# Altium PCB generic_shield.PcbDoc (part 2 of 2)
Units mil, origin at the board's own origin, x right, y up, seen from the top; angles counter-clockwise.
Board outline 5955.5 x 3149.6 mil, 4 copper layers (Top Layer, Signal Layer 1, Signal Layer 2, Bottom Layer), stack 65.118 mil thick; 112 components, 139 nets, 484 pads, 137 vias.
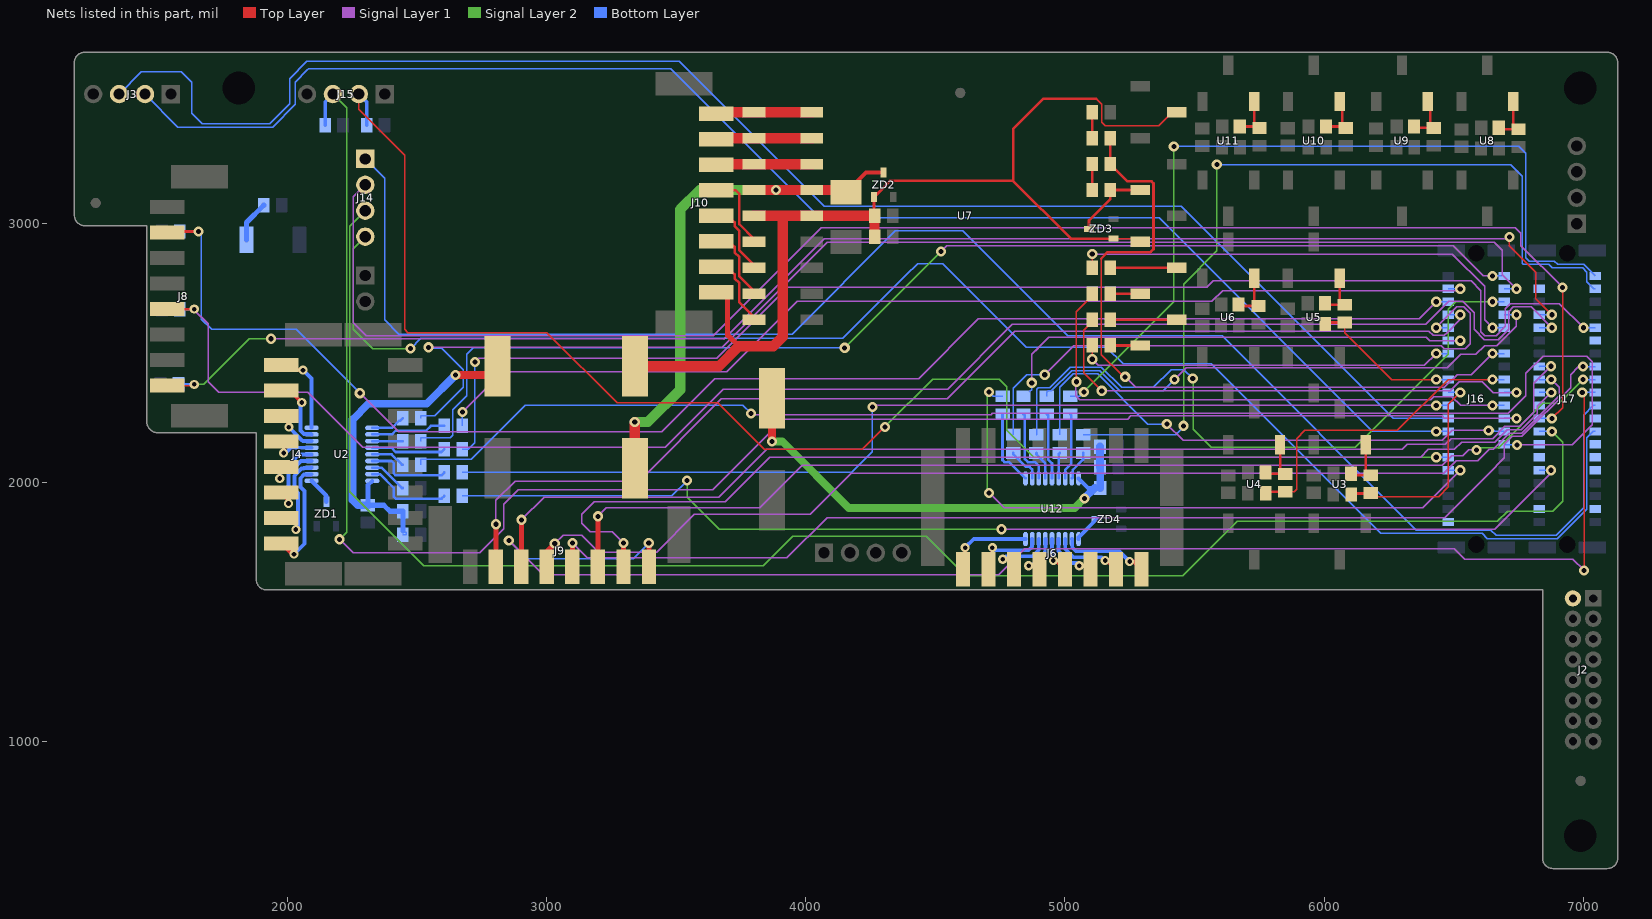
[diagram p4: the nets of this part, all layers, seen from the top]

## Via types
v1: diameter 39.37, hole 19.68, Top Layer to Bottom Layer, tented both sides, 119 vias
v2: diameter 35, hole 18, Top Layer to Bottom Layer, tented both sides, 18 vias

## Nets (pads, with @x,y where several pads share a name; then routed paths per layer and width w, separated by ;. In a path a pad name is that pad's centre, name@x,y a point inside that pad or via, vN(x,y) a via of type N, cw(c..) or ccw(c..) an arc to the next point about the centre after c; other vN are vias at no path point) (continued)
I2C1_SCL: J8.4 J17.10 R3.1 | length 6359.3
  Top Layer w5: J8.4@1535.98,2670.79 v2@1637,2670.79
  Top Layer w10: J8.4@1535.98,2670.79 1536.77,2670 v2(1640,2670)
  Signal Layer 1 w5: v2@1637,2670.79 1694,2613.79 1694,2391 1735,2350 2078,2350 2291,2137 3457,2137 3682,2362 4547,2362 4797,2612 6393,2612 6481,2700 6535,2700 6579,2656 6579,2592 6618,2553 6671.61,2553 6711.72,2593.11 6711.72,2657.72 6711.85,2657.85 6711.85,2661.09 6729.46,2678.7 6732.7,2678.7 6798.58,2678.7 v1(6878.64,2598.64)
  Bottom Layer w5: J17.10@6830.03,2598.64 v1(6878.64,2598.64)
  Bottom Layer w10: R3.1@1584.45,2670 v2(1640,2670)
I2C1_SDA: J8.1 J17.8 R4.1 | length 5896.1
  Top Layer w5: J8.1@1535.98,2375.51 v2@1632,2375.51 ; v1(6715,2949) 6715,2914 6816,2813 6816,2711.28 v1(6878.64,2648.64)
  Top Layer w10: v2@1632,2375.51 1635.51,2375.51 v2(1640,2380)
  Signal Layer 1 w5: v1(1936,2556) 3682,2556 3684,2554 4072,2942 6708,2942 v1(6715,2949)
  Signal Layer 2 w5: v2(1640,2380) 1676,2380 1852,2556 v1(1936,2556)
  Bottom Layer w5: J17.8@6830.03,2648.64 v1(6878.64,2648.64)
  Bottom Layer w10: R4.1@1578.9,2380 v2(1640,2380)
NetC1_1: C1.1 C10.2 L10.2 L11.2 U2.9 | length 1383.7
  Top Layer w30: v1(2648,2416) 2776,2416 C10.2@2810,2450
  Bottom Layer w5: L10.2@2445.16,1800 2458,1800 2458,1810 2445.16,1810 L10.2@2445.16,1815
  Bottom Layer w15: 2310,1990.51 U2.9@2327.13,2007.64
  Bottom Layer w20: 2310,1990.51 C1.1@2310,1913.46 2371.54,1913.46 2395,1890 L11.2@2445.16,1890 L10.2@2445.16,1815
  Bottom Layer w30: C1.1@2310,1913.46 2271.54,1913.46 2251,1934 2251,2244 2312,2305 2537,2305 v1(2648,2416)
NetC2_2: C2.2 R1.2 U3.3 | length 204.1
  Top Layer w10: C2.2@6103.46,2035 6109.02,2029.45 R1.2@6180,2029.45 6160,2049.45 U3.3@6160,2146.46
NetC4_2: C4.2 R5.2 U4.3 | length 199.1
  Top Layer w10: C4.2@5773.46,2040 5779.02,2034.45 R5.2@5850,2034.45 5830,2054.45 U4.3@5830,2146.46
NetC6_2: C6.2 R8.2 U5.3 | length 189.1
  Top Layer w10: C6.2@6003.46,2693 6009.02,2687.45 R8.2@6080,2687.45 6060,2707.45 U5.3@6060,2789.46
NetC8_2: C8.2 R12.2 U6.3 | length 192.7
  Top Layer w10: C8.2@5670,2688 5675.55,2682.45 R12.2@5746.54,2682.45 5730,2698.98 U6.3@5730,2789.46
NetC11_1: C11.1 F1.1 U7.7 U7.8 ZD2.3 | length 2050
  Top Layer w5: U7.7@3788,3130 U7.7@3800,3130 ; ZD2.3@4300,3197 ZD2.3@4300,3197.24
  Top Layer w15: F1.1@4155,3120.67 4231.57,3197.24 ZD2.3@4300,3197.24
  Top Layer w40: C11.1@3340,2056.3 v1(3340,2235) ; U7.7@3800,3130 v1(3885,3130) U7.8@4022.5,3130 4145.67,3130 F1.1@4155,3120.67
  Signal Layer 2 w40: v1(3340,2235) 3391,2235 3515,2359 3515,3055 3590,3130 v1(3885,3130)
NetC11_2: C11.2 J10.8 L19.1 L20.2 U7.9 U7.10 U7.23 U7.28 ZD2.1 ZD3.1 | length 4262.5
  Top Layer w5: 3848,3030 3862,3016 ; L19.1@4265.16,3030 4265.16,3102.76 4327.37,3164.97 ; 5120,3482 5141,3461 5141,3391 5155,3377 5361,3377 5414,3430 U7.28@5431.25,3430 ; ZD3.1@5187.24,2942.6 U7.23@5278.65,2942.6
  Top Layer w10: L19.1@4262.6,3032.56 ZD2.1@4262.6,3102.76 4324.81,3164.97 4327.37,3164.97 4800.03,3164.97 ; 5120,3482 4916,3482 4800.03,3366.03 4800.03,3164.97 ; ZD3.1@5187.24,2942.6 5022.4,2942.6 4800.03,3164.97 ; U7.23@5278.65,2942.6 U7.23@5291.25,2930
  Top Layer w20: J10.8@3654.02,2735.51 J10.8@3658.24,2731.29 ; 3658.24,2456.76 3665,2450 ; J10.8@3696,2741 J10.8@3698,2739 ; J10.8@3698,2730 3698,2571 3742,2527
  Top Layer w40: C11.2@3340,2450 3665,2450 3742,2527 3875,2527 3911.25,2563.25 3911.25,3030 ; U7.9@3800,3030 3848,3030 3911.25,3030 ; L19.1@4262.6,3032.56 L19.1@4265.16,3030 ; L20.2@4265.16,2950 L19.1@4265.16,3030 ; 3911.25,3030 U7.10@4022.5,3030 L19.1@4265.16,3030
NetC12_2: C12.2 C13.1 L26.2 L27.2 U12.9 | length 1810.3
  Top Layer w30: v1(3870,2160) C12.2@3870,2326.85
  Signal Layer 2 w30: v1(3870,2160) 3909,2160 4166,1903 5038,1903 v1(5075,1940)
  Bottom Layer w15: U12.9@5052.36,2017.13 5089.49,1980 5115,1980 C13.1@5136.54,1980 ; L27.2@5135.16,2060 L27.2@5136.54,2058.62
  Bottom Layer w30: v1(5075,1940) C13.1@5115,1980 ; L27.2@5135.16,2060 L26.2@5135.16,2140 ; C13.1@5136.54,1980 L27.2@5136.54,2058.62
NetC14_2: C14.2 R9.2 U8.3 | length 194.1
  Top Layer w10: C14.2@6673.46,3370 6679.02,3364.45 R9.2@6750,3364.45 6730,3384.45 U8.3@6730,3471.46
NetC16_2: C16.2 R19.2 U9.3 | length 190.3
  Top Layer w10: C16.2@6346.93,3375 6352.48,3369.45 R19.2@6423.46,3369.45 6410,3382.91 6410,3461.98 U9.3@6400.52,3471.46
NetC18_2: C18.2 R21.2 U10.3 | length 198.2
  Top Layer w10: C18.2@6006.93,3375 R21.2@6077.91,3375 ; U10.3@6060.52,3471.46 6070,3461.98 6070,3382.91 R21.2@6077.91,3375 ; R21.2@6094.54,3380.52 R21.2@6083.46,3369.45 R21.2@6077.91,3375
NetC20_2: C20.2 R23.2 U11.3 | length 197
  Top Layer w10: C20.2@5674.02,3375 R23.2@5745,3375 ; U11.3@5730.52,3471.46 5730.52,3389.48 R23.2@5745,3375 ; R23.2@5761.63,3380.52 R23.2@5750.55,3369.45 R23.2@5745,3375
NetD1_1: D1.1 L28.1 | length 160.6
  Bottom Layer w20: D1.1@1841.64,2938 1841.64,3004.48 L28.1@1908.16,3071
NetJ2_2: J2.2
NetJ4_1: J4.1 U2.11 | length 451.3
  Top Layer w15: J4.1@1955.51,1765.51 J4.1@1975.98,1765.51 2016.5,1725 v2(2025,1725)
  Bottom Layer w15: v2(2025,1725) 2065,1765 2065,1968.09 2049.82,1983.28 2049.82,2017.73 2064.08,2032 2091.64,2032 U2.11@2092.87,2033.23
NetJ4_2: J4.2 U2.12 | length 395.1
  Top Layer w5: J4.2@1975.98,1863.94 2032,1863.94 v2(2032,1820)
  Bottom Layer w15: v2(2032,1820) 2040,1828 2040,1960.57 2026.82,1973.75 2026.82,2027.25 2054.56,2055 2061.49,2055 2064.08,2057.59 2091.64,2057.59 U2.12@2092.87,2058.82
NetJ4_3: J4.3 U2.13 | length 279.6
  Top Layer w15: J4.3@1975.98,1962.36 2004,1934.35 v2(2004,1920)
  Bottom Layer w15: v2(2004,1920) 2004,1964.04 2003.82,1964.23 2003.82,2036.78 2051.44,2084.41 U2.13@2092.87,2084.41
NetJ4_4: J4.4 U2.14 | length 180
  Top Layer w15: v2(1970,2017) v2@1970,2024.8
  Bottom Layer w15: v2(1970,2017) 1970,2035.49 2044.51,2110 U2.14@2092.87,2110
NetJ4_5: J4.5 U2.15 | length 165
  Top Layer w15: J4.5@1975.98,2159.21 1985.24,2149.96 v2(1985.24,2115)
  Bottom Layer w15: v2(1985.24,2115) 1990.47,2115 1991.47,2114 2013.06,2135.59 U2.15@2092.87,2135.59
NetJ4_6: J4.6 U2.16 | length 165.1
  Top Layer w15: J4.6@1975.98,2257.64 2005,2228.62 v2(2005,2215)
  Bottom Layer w15: v2(2005,2215) 2026.82,2193.19 2026.82,2192.75 2054.56,2165 2055,2165 2058.82,2161.18 U2.16@2092.87,2161.18
NetJ4_7: J4.7 U2.17 | length 257.4
  Top Layer w15: J4.7@1975.98,2356.06 2008.94,2356.06 v2(2055,2310)
  Bottom Layer w15: v2(2055,2310) 2050,2305 2050,2229.83 2049.82,2229.65 2049.82,2202.27 2064.08,2188 2091.64,2188 U2.17@2092.87,2186.77
NetJ4_8: J4.8 U2.18 | length 378.7
  Top Layer w5: J4.8@1956.5,2435 1956.5,2454.49 J4.8@1975.98,2454.49
  Top Layer w15: J4.8@1956.5,2435 v2(2060,2435)
  Bottom Layer w15: v2(2060,2435) 2092.87,2402.13 U2.18@2092.87,2212.36
NetJ6_1: J6.1 U12.11 | length 335.3
  Top Layer w15: v2(5249.75,1696.17) 5264.93,1696.17 J6.1@5295.12,1665.98
  Bottom Layer w15: U12.11@5026.77,1782.87 5028,1781.64 5028,1750 5042,1736 5209.92,1736 v2(5249.75,1696.17)
NetJ6_2: J6.2 U12.12 | length 266.5
  Top Layer w15: v2(5155,1700) 5162.68,1700 J6.2@5196.69,1665.98
  Bottom Layer w15: U12.12@5001.18,1782.87 5001.18,1744.3 5032.48,1713 5142,1713 v2(5155,1700)
NetJ6_3: J6.3 U12.13 | length 197.8
  Top Layer w15: v2(5055,1680) 5084.25,1680 J6.3@5098.27,1665.98
  Bottom Layer w15: U12.13@4975.59,1782.87 4975.59,1737.36 5022.95,1690 5045,1690 v2(5055,1680)
NetJ6_4: J6.4 U12.14 | length 143.9
  Top Layer w15: v2(4955,1700) 4965.83,1700 J6.4@4999.84,1665.98
  Bottom Layer w15: U12.14@4950,1782.87 4950,1705 v2(4955,1700)
NetJ6_5: J6.5 U12.15 | length 182.8
  Top Layer w15: v2(4860,1680) 4887.4,1680 J6.5@4901.42,1665.98
  Bottom Layer w15: v2(4860,1680) 4870.3,1680 4921.82,1731.51 4921.82,1732.41 4924.41,1735 U12.15@4924.41,1782.87
NetJ6_6: J6.6 U12.16 | length 270
  Top Layer w15: v2(4760,1705) 4790,1705 4790,1678.98 J6.6@4802.99,1665.98
  Bottom Layer w15: v2(4760,1705) 4771.82,1716.82 4874.59,1716.82 4898.82,1741.04 U12.16@4898.82,1782.87
NetJ6_7: J6.7 U12.17 | length 283.1
  Top Layer w15: J6.7@4704.57,1665.98 4720,1681.42 v2(4720,1750)
  Bottom Layer w15: v2(4720,1750) 4730.19,1739.82 4859.89,1739.82 4873.23,1753.15 U12.17@4873.23,1782.87
NetJ6_8: J6.8 U12.18 | length 341.1
  Top Layer w15: J6.8@4599.06,1665.98 J6.8@4606.14,1665.98 4615,1674.84 v2(4615,1750)
  Bottom Layer w15: v2(4615,1750) 4647.87,1782.87 4706.21,1782.87 4706.33,1783 4733.67,1783 4733.8,1782.87 U12.18@4847.64,1782.87
NetJ10_1: J10.1 U7.1 U7.2 | length 370.8
  Top Layer w40: J10.1@3654.02,3424.49 3659.53,3430 U7.1@3800,3430 U7.2@4022.5,3430
NetJ10_2: J10.2 U7.3 U7.4 | length 370.1
  Top Layer w40: J10.2@3654.02,3326.06 3657.95,3330 U7.3@3800,3330 U7.4@4022.5,3330
NetJ10_3: J10.3 U7.5 U7.6 | length 369.5
  Top Layer w40: J10.3@3654.02,3227.64 3656.38,3230 U7.5@3800,3230 U7.6@4022.5,3230
NetJ10_4: J10.4 U7.11 | length 303.7
  Top Layer w10: J10.4@3654.02,3129.21 3729.21,3129.21 3743.25,3115.18 3743.25,2997.87 3800,2941.12 U7.11@3800,2930
NetJ10_5: J10.5 U7.13 | length 287.7
  Top Layer w10: J10.5@3654.02,3030.79 3699.21,3030.79 3725.25,3004.75 3725.25,2990.41 3743.25,2972.41 3743.25,2896.75 3800,2840 U7.13@3800,2830
NetJ10_6: J10.6 U7.15 | length 291.5
  Top Layer w10: J10.6@3654.02,2932.36 3702.89,2932.36 3725.25,2910 3725.25,2889.29 3743.25,2871.29 3743.25,2796.75 3800,2740 U7.15@3800,2730
NetJ10_7: J10.7 U7.17 | length 289
  Top Layer w10: J10.7@3654.02,2833.94 3696.06,2833.94 3725.25,2804.75 3725.25,2789.29 3743.25,2771.29 3743.25,2696.75 3800,2640 U7.17@3800,2630
NetL1_2: L1.2 U12.1 | length 296.3
  Bottom Layer w10: L1.2@4760,2265.16 4759.05,2265.16 4759.05,2087.53 4766.66,2079.91 4784.85,2079.91 U12.1@4847.64,2017.13
NetL2_2: L2.2 U2.1 | length 133.6
  Bottom Layer w10: U2.1@2327.13,2212.36 2403.48,2212.36 2431.12,2240 2435.16,2240 L2.2@2445.16,2250
NetL3_2: L3.2 U2.2 | length 291.8
  Bottom Layer w10: U2.2@2327.13,2186.77 2403.35,2186.77 2417.53,2200.95 2534.38,2200.95 2553.42,2220 L3.2@2605.16,2220
NetL4_2: L4.2 U2.3 | length 118.5
  Bottom Layer w10: U2.3@2327.13,2161.18 2443.98,2161.18 L4.2@2445.16,2160
NetL5_2: L5.2 U2.4 | length 289.4
  Bottom Layer w10: U2.4@2327.13,2135.59 2400.99,2135.59 2417.53,2119.05 2594.2,2119.05 L5.2@2605.16,2130
NetL6_2: L6.2 U2.5 | length 134.6
  Bottom Layer w10: U2.5@2327.13,2110 2401.12,2110 2441.12,2070 L6.2@2445.16,2070
NetL7_2: L7.2 U2.6 | length 328.4
  Bottom Layer w10: U2.6@2327.13,2084.41 2401.25,2084.41 2409.91,2075.75 2409.91,2036.66 2417.53,2029.05 2594.2,2029.05 L7.2@2605.16,2040
NetL8_2: L8.2 U2.7 | length 150.7
  Bottom Layer w10: U2.7@2327.13,2058.82 2362.3,2058.82 2441.12,1980 L8.2@2445.16,1980
NetL9_2: L9.2 U2.8 | length 341.2
  Bottom Layer w10: U2.8@2327.13,2033.23 2356.77,2033.23 2409.91,1980.09 2409.91,1946.66 2417.53,1939.05 2594.2,1939.05 L9.2@2605.16,1950
NetL12_2: L12.2 U12.2 | length 136.5
  Bottom Layer w10: L12.2@4800,2115.16 4800,2111.12 4849.21,2061.91 4863.09,2061.91 4873.23,2051.77 U12.2@4873.23,2017.13
NetL13_2: L13.2 U12.3 | length 289
  Bottom Layer w10: L13.2@4840,2265.16 4845,2260.16 4845,2091.58 4856.66,2079.91 4885,2079.91 4898.82,2066.09 U12.3@4898.82,2017.13
NetL14_1: L14.1 U7.25 ZD3.3 | length 300.4
  Top Layer w10: ZD3.3@5092.76,2980 5092.76,3012.76 5174.84,3094.84 L14.1@5174.84,3130 U7.25@5291.25,3130
NetL14_2: L14.2 R16.2 | length 100.2
  Top Layer w10: L14.2@5105.16,3130 5105.16,3229.61 R16.2@5105.55,3230
NetL15_2: L15.2 U7.22 | length 256.4
  Top Layer w10: L15.2@5174.84,2830 U7.22@5431.25,2830
NetL16_2: L16.2 U7.21 | length 116.4
  Top Layer w10: L16.2@5174.84,2730 U7.21@5291.25,2730
NetL17_2: L17.2 U7.20 | length 256.4
  Top Layer w10: L17.2@5174.84,2630 U7.20@5431.25,2630
NetL18_2: L18.2 U7.19 | length 116.4
  Top Layer w10: L18.2@5174.84,2530 U7.19@5291.25,2530
NetL21_2: L21.2 U12.4 | length 112.3
  Bottom Layer w10: L21.2@4890,2115.16 4890,2109.54 4924.41,2075.13 U12.4@4924.41,2017.13
NetL22_2: L22.2 U12.5 | length 256.3
  Bottom Layer w10: L22.2@4930,2265.16 4935,2260.16 4935,2090 4950,2075 U12.5@4950,2017.13
NetL23_2: L23.2 U12.6 | length 99.9
  Bottom Layer w10: U12.6@4975.59,2017.13 4975.59,2110.75 L23.2@4980,2115.16
NetL24_2: L24.2 U12.7 | length 260
  Bottom Layer w10: U12.7@5001.18,2017.13 5001.18,2051.18 5025,2075 5025,2260.16 L24.2@5020,2265.16
NetL25_2: L25.2 U12.8 | length 115.9
  Bottom Layer w10: U12.8@5026.77,2017.13 5030.5,2020.86 5030.5,2050.5 5070,2090 L25.2@5070,2115.16
NetR17_1: R17.1 R18.2 | length 100
  Top Layer w10: R17.1@5105.55,3330 R18.2@5105.55,3430
NetU2_10: U2.10 ZD1.3 | length 104.1
  Bottom Layer w17: U2.10@2092.87,2007.64 2150,1950.51 ZD1.3@2150,1927.24
NetU12_10: U12.10 ZD4.3 | length 106.3
  Bottom Layer w15: U12.10@5052.36,1782.87 5052.36,1789.61 ZD4.3@5122.76,1860
PTA4_RC: J16.7 L22.1 | length 2087.5
  Signal Layer 1 w5: v1(5423,2399) 5468.5,2444.5 6475.5,2444.5 6527,2496 6586,2496 6619,2529 6666,2529 6741.91,2604.91 v1(6741.91,2648.64)
  Bottom Layer w5: L22.1@4930,2334.84 4930,2350 4934.59,2354.59 4947.51,2354.59 5026.11,2433.19 5133.81,2433.19 5212,2355 5379,2355 v1(5423,2399) ; J16.7@6695.57,2648.64 v1(6741.91,2648.64)
PTA7_RC: J16.32 L1.1 | length 2417.4
  Signal Layer 1 w5: v1@4716.06,1970.06 v1(4707,1961) 4765,1903 6379.73,1903 6446.79,1970.06 v1(6525.37,2048.64)
  Signal Layer 2 w5: v1(4707,1961) 4700,1968 4700,2344 v1(4707,2351)
  Bottom Layer w5: v1(4707,2351) 4723.16,2334.84 L1.1@4760,2334.84 ; J16.32@6479.03,2048.64 v1(6525.37,2048.64)
PTA8_RC: J16.12 L13.1 | length 1915.3
  Signal Layer 1 w5: v1(4872,2386) 4872,2496 ; 4896,2520 4872,2496 ; v1(6525.37,2548.64) 6420,2548.64 6406.81,2548.64 6393.45,2562 4938,2562 4910.5,2534.5 4872,2496
  Bottom Layer w5: L13.1@4863,2351 4872,2360 v1(4872,2386) ; J16.12@6479.03,2548.64 v1(6525.37,2548.64)
PTA10_RC: J16.27 L6.1 | length 5413
  Signal Layer 1 w5: v1(3789,2268) 3794.19,2262.81 4714.81,2262.81 4720,2268 6711,2268 6779,2336 6779,2423 6845,2489 7013,2489 7035,2467 7035,2224 6957,2146 v1(6744,2146)
  Bottom Layer w5: L6.1@2514.84,2070 2514.84,2091.55 2708,2091.55 2916.45,2300 3757,2300 v1(3789,2268) ; J16.27@6695.57,2148.64 6698.21,2146 v1(6744,2146)
PTA11_RC: J16.22 L7.1 | length 4012.7
  Signal Layer 1 w5: v1(4257,2293) 4262.64,2298.64 4755.83,2298.64 4770,2298.64 v1(6432.7,2298.64)
  Bottom Layer w5: L7.1@2674.84,2040 4177,2040 4257,2120 v1(4257,2293) ; v1(6432.7,2298.64) J16.22@6479.03,2298.64
PTA12_RC: J15.2 J16.30 R15.1 | length 5668.1
  Top Layer w5: J15.2@2275,3500 2275,3441 2452,3264 2452,2592 2464,2580 3001,2580 3272,2309 3660,2309 3840,2129 4218,2129 v1(4305,2216)
  Signal Layer 2 w5: v1(4305,2216) 4489,2400 4746,2400 4776,2370 4776,2202.28 4879.64,2098.64 v1(6432.7,2098.64)
  Bottom Layer w5: v1(6432.7,2098.64) J16.30@6479.03,2098.64
  Bottom Layer w15: J15.2@2275,3500 2305.55,3469.45 R15.1@2305.55,3380
PTA13_RC: J15.3 J16.23 R14.1 | length 6769.8
  Signal Layer 1 w5: v1(2201,1782) 2253,1730 2742,1730 2835,1823 2835,1917 2891,1973 3640.49,1973 3913.55,2246.06 5242,2246.06 5253.94,2258 6455,2258 6464.36,2248.64 v1(6741.91,2248.64)
  Signal Layer 2 w5: J15.3@2175,3500 2228,3447 2228,1809 v1(2201,1782)
  Bottom Layer w5: J16.23@6695.57,2248.64 v1(6741.91,2248.64)
  Bottom Layer w15: R14.1@2145.55,3380 2145.55,3470.55 J15.3@2175,3500
PTA14_RC: J3.3 J16.24 | length 6045.4
  Bottom Layer w5: J3.3@1350,3500 1436,3586 1590,3586 1631,3545 1631,3426 1671,3386 1932,3386 2008,3462 2008,3560 2075,3627 3512,3627 4071,3068 5448,3068 6267.36,2248.64 J16.24@6479.03,2248.64
PTA15_RC: J3.2 J16.26 | length 5804.8
  Bottom Layer w5: J3.2@1450,3500 1577,3373 1942,3373 2029.07,3460.07 2029.07,3545.93 2077,3593.87 2081.13,3598 3478,3598 4054,3022 5363,3022 6186.36,2198.64 v1(6432.7,2198.64) J16.26@6479.03,2198.64
PTA17_RC: J16.25 L23.1 | length 2044
  Signal Layer 1 w5: v1(5393,2227) 5456,2164 6456,2164 6494,2202 v1(6635,2202)
  Bottom Layer w5: L23.1@4980,2184.84 4980,2368.69 5031.5,2420.19 5125.81,2420.19 5319,2227 v1(5393,2227) ; v1(6635,2202) 6655.28,2202 6658.64,2198.64 J16.25@6695.57,2198.64
PTB0_RC: J16.21 L16.1 | length 2099.1
  Top Layer w5: v1(5044,2390) 5044,2660 5105.16,2721.16 L16.1@5105.16,2730
  Signal Layer 1 w5: v1(5044,2390) 5042,2388 5042,2336 5058,2320 6411,2320 6423,2332 6493,2332 6526.36,2298.64 v1(6649.23,2298.64)
  Bottom Layer w5: v1(6649.23,2298.64) J16.21@6695.57,2298.64
PTB1_RC: J16.9 L15.1 | length 1837.4
  Top Layer w5: L15.1@5105.16,2830 v1(5105.16,2883)
  Signal Layer 1 w5: v1(5105.16,2883) 6495,2883 6619,2759 6619,2628.87 v1(6649.23,2598.64)
  Bottom Layer w5: v1(6649.23,2598.64) J16.9@6695.57,2598.64
PTB2_RC: J16.19 L17.1 | length 1996.5
  Top Layer w5: L17.1@5105.16,2630 5105.16,2621.16 5072,2588 5072,2425 v1(5142,2355)
  Signal Layer 1 w5: v1(5142,2355) 6487,2355 6522,2390 6611,2390 6653,2348 6741.91,2348 v1(6741.91,2348.64)
  Bottom Layer w5: J16.19@6695.57,2348.64 v1(6741.91,2348.64)
PTB3_RC: J16.14 L18.1 | length 1455.7
  Top Layer w5: v1(5105.16,2477) L18.1@5105.16,2530
  Signal Layer 1 w5: v1(5105.16,2477) 5129.16,2453 6387.06,2453 v1(6432.7,2498.64)
  Bottom Layer w5: v1(6432.7,2498.64) J16.14@6479.03,2498.64
PTB4_RC: J16.13 R16.1 R17.2 | length 2801.1
  Top Layer w5: 5140,2865 5140,2495 5226,2409 v1(5232.36,2409)
  Top Layer w10: 5140,2865 5165,2890 5330,2890 5341.75,2901.75 5341.75,3155.38 5334.13,3163 5241.45,3163 R16.1@5174.45,3230 R17.2@5174.45,3330
  Signal Layer 1 w5: v1(5232.36,2409) 5273.36,2368 6463,2368 6513,2418 6568.59,2418 v1(6649.23,2498.64)
  Bottom Layer w5: v1(6649.23,2498.64) J16.13@6695.57,2498.64
PTB5_RC: J16.20 R1.1 R2.2 | length 908.5
  Top Layer w5: R2.2@6104.45,1955 6200,1955 6200,1945.55 6441.55,1945.55 6480,1984 6480,2303.27 v1(6525.37,2348.64)
  Top Layer w10: R2.2@6104.45,1955 6110,1960.55 R1.1@6180,1960.55
  Bottom Layer w5: J16.20@6479.03,2348.64 v1(6525.37,2348.64)
PTB6_RC: J16.17 R5.1 R6.2 | length 1217
  Top Layer w5: R5.1@5850,1965.55 5884.55,1965.55 5894,1975 5894,2170 5926,2202 6283,2202 6479.64,2398.64 v1(6649.23,2398.64)
  Top Layer w10: R6.2@5774.45,1960 5780,1965.55 R5.1@5850,1965.55
  Bottom Layer w5: v1(6649.23,2398.64) J16.17@6695.57,2398.64
PTB7_RC: J16.18 R8.1 R10.2 | length 590.6
  Top Layer w5: R8.1@6080,2618.55 6080,2580 6261.36,2398.64 v1(6432.7,2398.64)
  Top Layer w10: R10.2@6004.45,2613 6010,2618.55 R8.1@6080,2618.55
  Bottom Layer w5: v1(6432.7,2398.64) J16.18@6479.03,2398.64
PTB18: J9.1 J17.19 | length 5706.7
  Top Layer w5: v1(3394,1767.51) v1@3394.49,1767.02 ; v1(6996,2349) 7003,2342 v1(7003,1662)
  Top Layer w20: J9.1@3394.49,1675.98 v1@3394.49,1767.02
  Signal Layer 1 w5: v1(2854,1778) 2987,1645 4744,1645 4845,1746 6503,1746 6543,1706 6959,1706 v1(7003,1662)
  Bottom Layer w5: v1(2854,1778) 2924,1708 3334.49,1708 v1(3394,1767.51) ; v1(6996,2349) 6996.36,2348.64 J17.19@7046.57,2348.64
PTB19: J9.2 J17.20 | length 4316.8
  Top Layer w20: J9.2@3296.06,1675.98 v1(3296.06,1768)
  Signal Layer 1 w5: v1(3296.06,1768) 3252.88,1811.19 3168,1811.19 3136,1843.19 3136,1879 3184,1927 3424,1927 3689,1927 3861,2099 6372.68,2099 6402.51,2128.83 6502.83,2128.83 6531.06,2157.06 6658.06,2157.06 6705.83,2204.83 6760.83,2204.83 6822.45,2266.45 6822.45,2294.73 v1(6876.36,2348.64)
  Bottom Layer w5: J17.20@6830.03,2348.64 v1(6876.36,2348.64)
PTB20: J9.3 J17.17 | length 4262.4
  Top Layer w20: J9.3@3197.64,1675.98 v1(3197.64,1870.81)
  Signal Layer 1 w5: v1(3197.64,1870.81) 3230.82,1904 3823,1904 3986,2067 6455.08,2067 6492.91,2104.83 6535.83,2104.83 6558,2127 v1(6588,2127)
  Signal Layer 2 w5: v1(6588,2127) 6597,2136 6673,2136 6844,2307 6907,2307 v1(6998.64,2398.64)
  Bottom Layer w5: v1(6998.64,2398.64) J17.17@7046.57,2398.64
PTB21: J9.4 J17.15 | length 4430
  Top Layer w20: J9.4@3099.21,1675.98 v1(3099.21,1768)
  Signal Layer 1 w5: v1(3099.21,1768) 3157.21,1710 3927,1710 4083,1866 6466,1866 6633,2033 6696,2096 6696,2148 6726.83,2178.83 6763.28,2178.83 6951,2366.55 6951,2418 6981.64,2448.64 v1(6998.64,2448.64)
  Bottom Layer w5: v1(6998.64,2448.64) J17.15@7046.57,2448.64
PTB22: J9.5 J17.18 | length 4390.1
  Top Layer w5: J9.5@3000.79,1675.98 J9.5@3000.79,1735.47
  Top Layer w20: J9.5@3000.79,1735.47 v1(3031.31,1766)
  Signal Layer 1 w5: v1(3031.31,1766) 3063.5,1798.19 3134.81,1798.19 3200,1733 3424,1733 3570,1879 4017,1879 4175,2037 6461,2037 6509,2085 6592,2085 6637,2130 6653,2130 6714.83,2191.83 6762.83,2191.83 6907,2336 6907,2368 v1(6876.36,2398.64)
  Bottom Layer w5: J17.18@6830.03,2398.64 v1(6876.36,2398.64)
PTB23: J9.6 J17.16 | length 4510.5
  Top Layer w20: J9.6@2902.36,1675.98 v1(2902.36,1857.19)
  Signal Layer 1 w5: v1(2902.36,1857.19) 2990.18,1945 3664,1945 3848.94,2129.94 6301.94,2129.94 6320,2148 6468,2148 6491,2171 6651,2171 6698,2218 6755,2218 6809,2272 6809,2384 v1(6875,2450)
  Bottom Layer w5: J17.16@6830.03,2448.64 6831.4,2450 v1(6875,2450)
PTC0_RC: J9.7 J16.8 | length 4344.9
  Top Layer w20: J9.7@2803.94,1675.98 v1(2803.94,1840)
  Signal Layer 1 w5: v1(2803.94,1840) 2803.94,1931.94 2879,2007 3357,2007 3674,2324 4546,2324 4807,2585 6403.83,2585 6420.25,2568.58 6463.58,2568.58 6475,2580 6525.37,2630.37 v1(6525.37,2648.64)
  Bottom Layer w5: J16.8@6479.03,2648.64 v1(6525.37,2648.64)
PTC1_RC: J16.10 L12.1 | length 2361.9
  Signal Layer 1 w5: v1(4922,2417) 5033.83,2528.83 6452.17,2528.83 6463,2518 6544,2518 6563,2537 6563,2655 6539,2679 6512,2679 6432.7,2599.7 v1(6432.7,2598.64)
  Bottom Layer w5: L12.1@4800,2184.84 4800,2365 4852,2417 v1(4922,2417) ; v1(6432.7,2598.64) J16.10@6479.03,2598.64
PTC8_RC: J16.5 L21.1 | length 2644.1
  Signal Layer 2 w5: v1@5495,2400 5495,2207 5564,2138 6120,2138 6479,2497 6479,2669 6508.64,2698.64 v1(6649.23,2698.64)
  Bottom Layer w5: L21.1@4890,2184.84 4891.55,2186.39 4891.55,2361.44 4897.7,2367.59 4942.13,2367.59 5020.73,2446.19 5140.81,2446.19 5219,2368 5341,2368 5410.19,2437.19 5458.81,2437.19 v1(5493,2403) ; v1(6649.23,2698.64) J16.5@6695.57,2698.64
PTC9_RC: J8.7 J16.6 R7.1 | length 5737.1
  Top Layer w10: J8.7@1535.98,2966.06 1539.92,2970 v1(1657,2970)
  Signal Layer 1 w5: v1(2279,2346) 2281,2346 2429,2198 3444,2198 3648,2402 4435,2402 4666,2633 6367.06,2633 v1(6432.7,2698.64)
  Bottom Layer w5: v1(1657,2970) 1668,2959 1668,2632 1707.5,2592.5 2034.5,2592.5 2279,2348 v1(2279,2346) ; v1(6432.7,2698.64) J16.6@6479.03,2698.64
  Bottom Layer w10: R7.1@1584.45,2970 v1(1657,2970)
PTC14: J17.4
PTC15: J17.11
PTD4_RC: J16.3 L2.1 | length 5007
  Signal Layer 1 w5: v1(2544,2523) 3677.65,2523 4083.65,2929 6656,2929 6688,2897 6688,2802.55 v1(6741.91,2748.64)
  Bottom Layer w5: L2.1@2514.84,2250 2514.84,2258 2569,2258 2679,2368 2679,2437 2596,2520 v1@2544,2520 ; v1(2544,2523) v1@2550,2517 ; J16.3@6695.57,2748.64 v1(6741.91,2748.64)
PTD5_RC: J16.4 L3.1 | length 4146.8
  Signal Layer 1 w5: v1(2675,2273) 2830,2428 3695,2428 3967,2700 5566,2700 5608,2742 6518.73,2742 v1(6525.37,2748.64)
  Bottom Layer w5: L3.1@2674.84,2220 2674.84,2272.84 v1(2675,2273) ; J16.4@6479.03,2748.64 v1(6525.37,2748.64)
PTD6_RC: J16.1 L4.1 | length 4700.7
  Signal Layer 1 w5: v1(4522,2893) 4543,2914 4553,2914 6498.16,2914 6613.52,2798.64 v1(6649.23,2798.64)
  Signal Layer 2 w5: v1(4150,2521) v1(4522,2893)
  Bottom Layer w5: L4.1@2514.84,2160 2514.84,2174 2628,2174 2638,2184 2638,2282 2692,2336 2692,2461 2692,2497 2716,2521 v1(4150,2521) ; v1(6649.23,2798.64) J16.1@6695.57,2798.64
PTD7: J17.9 L5.1 | length 5133.7
  Signal Layer 1 w5: v1(2723,2466) 2723,2467 2737,2481 3656,2481 3930,2755 5548,2755 5572,2779 6568,2779 6605,2742 6605,2582.45 6619,2568.45 6663.45,2568.45 6698.72,2603.72 6698.72,2672 6718.55,2691.83 6908.18,2691.83 v1(7001.36,2598.64)
  Bottom Layer w5: L5.1@2674.84,2130 2698,2130 2722,2154 2723,2155 v1(2723,2466) ; v1(7001.36,2598.64) J17.9@7046.57,2598.64
PTD11: J17.1 L24.1 | length 3219.9
  Signal Layer 2 w5: v1(5072.84,2350.84) 5420,2698 v1(5420,3298)
  Bottom Layer w5: L24.1@5020,2334.84 5056.84,2334.84 v1(5072.84,2350.84) ; v1(5420,3298) 6752,3298 6778.19,3271.81 6778.19,2869.81 6778.2,2868.9 6791.09,2856 6889,2856 6902.33,2842.67 7002.54,2842.67 J17.1@7046.57,2798.64
PTD12: J17.3 L25.1 | length 3339.5
  Signal Layer 2 w5: v1@5457.94,2220 5457.94,2766.94 5586,2895 v1(5586,3228)
  Bottom Layer w5: L25.1@5070,2184.84 5426.84,2184.84 v1@5458,2216 ; v1(5586,3228) 6720,3228 6765.19,3182.81 6765.19,2846.81 6769,2843 6866.38,2843 6879.72,2829.67 6997.16,2829.67 7014.42,2812.41 7014.42,2775.58 7041.36,2748.64 J17.3@7046.57,2748.64
  other v1: 5457,2220
PTE6: J17.27
PTE7: J17.30
PTE8: J17.29
PTE11: J17.31
PTE12: J17.32 L9.1 | length 4487.4
  Signal Layer 1 w5: v1(4755,1821) 6659,1821 6876,2038 v1(6876,2048.64)
  Signal Layer 2 w5: v1(3542,2009) 3542,1945 3666,1821 v1(4755,1821)
  Bottom Layer w5: L9.1@2674.84,1950 3483,1950 v1(3542,2009) ; J17.32@6830.03,2048.64 v1(6876,2048.64)
PTE26: J17.37
PTE28: J17.38
RST_TGTMCU_B: J16.40
SD_CARD_DETECT: J17.22
SDHC0_CMD: J14.3 J17.26 | length 6469.5
  Signal Layer 2 w5: J14.3@2300,3050 2241,2991 2241,1966 2526,1681 3836,1681 3949,1794 4465,1794 4617,1642 5455,1642 5664,1851 6668,1851 6708,1891 6882,1891 6920,1929 6920,2157.28 v1(6878.64,2198.64)
  Bottom Layer w5: J17.26@6830.03,2198.64 v1(6878.64,2198.64)
SDHC0_D0: J14.2 J17.24 | length 6106
  Top Layer w5: v1(6878.64,2248.64) 6920,2290 v1(6920,2754)
  Signal Layer 1 w5: J14.2@2300,3150 2254,3104 2254,2617 2304,2567 3642.4,2567 4059.4,2984 6738,2984 6759,2963 6759,2915 v1(6920,2754)
  Bottom Layer w5: J17.24@6830.03,2248.64 v1(6878.64,2248.64)
SDHC0_D1: J17.23
SDHC0_D2: J17.28
SDHC0_D3: J14.4 J17.25 | length 6109
  Signal Layer 2 w5: J14.4@2300,2950 2254,2904 2254,2592 2328,2518 v1(2475,2518)
  Bottom Layer w5: v1(2475,2518) 2515,2558 4143,2558 4386,2801 4431,2846 4529,2846 4851,2524 5160,2524 5224,2460 5564,2460 6219.39,1804.61 6609.92,1804.61 6630,1784.53 6900.42,1784.53 7014.42,1898.53 7014.42,2174.42 7038.64,2198.64 J17.25@7046.57,2198.64
SDHC0_DCLK: J14.1 J17.21 | length 6414.7
  Bottom Layer w5: J14.1@2300,3250 2375,3175 2375,2629 2430,2574 3948,2574 4346,2972 4605,2972 5009.86,2567.14 5606.86,2567.14 6356.39,1817.61 6643.28,1817.61 6663.36,1797.53 6895.04,1797.53 7001.42,1903.91 7001.42,2261.42 7038.64,2298.64 J17.21@7046.57,2298.64
pads on no net: FID1. FID2. FID3. FID4. FID5. FID6. J4.NC J5.NC J6.NC J7.NC J8.5 J8.NC J9.NC J10.NC J16. J17. J17.40 U3.2 U3.4 U3.5 U4.2 U4.4 U4.5 U5.2 U5.4 U5.5 U6.2 U6.4 U6.5 U7.12 U7.14 U7.16 U7.18 U7.24 U7.26 U7.27 U8.2 U8.4 U8.5 U9.2 U9.4 U9.5 U10.2 U10.4 U10.5 U11.2 U11.4 U11.5 ZD1.2 ZD2.2 ZD3.2 ZD4.2

## Polygon pours and split planes (outlines as drawn)
5V on Top Layer "Top Layer-5V 1" (solid, pour order 14): 6926,1350 7132.8,1350 7132.8,1280 6926,1280
5V on Top Layer "Top Layer-5V" (solid, pour order 16): 7082,3055 6930,3055 6930,3150 7132.8,3150 7132.8,1280 7082,1280
no net on Top Layer "Top Layer-No Net" (solid, pour order 18): 7173,3049
12V on Top Layer "12V_L01_P022" (solid, pour order 22): 7132.8,930 6842.8,930 6842.8,1587.06 6315,1587.06 6315,1675 6925,1675 6925,1120 7132.8,1120
no net on Bottom Layer "Bottom Layer-No Net" (solid, pour order 28): 6174.17,1790
GND on Bottom Layer "GND_L04_P004" (solid, pour order 4): 7080,3250 6930,3250 6930,3350 7132.8,3350 7132.8,1122 6842.8,1122 6842.8,1587.06 6210,1587.06 6210,1675 6220,1675 6925,1675 6925,1428 7080,1428
12V on Signal Layer 1 "12V_L02_P000" (solid, pour order 0): 7080,3150 6930,3150 6930,3250 7132.8,3250 7132.8,930 6842.8,930 6842.8,1587.06 6315,1587.06 6315,1675 6425,1675 6925,1675 6925,1120 7080,1120
3V3 on Signal Layer 2 "3V3_L03_P008" (solid, remove dead copper, pour order 8): 7080,2928.36 6930,2928.36 6930,3050 7132.8,3050 7132.8,1515 7132.8,1437 6924.17,1437 6924.17,1515 7080,1515
GND on Signal Layer 2 "GND_L03_P024" (solid, pour order 24): 7132.8,1125 6842.8,1125 6842.8,1587.06 6210,1587.06 6210,1675 6925,1675 6925,1438 7132.8,1438

## Other copper
Top Layer:
  region net PTB18: 6892,2340
  region net 12V: 3870,1933.15
Signal Layer 1:
  text "Entropic / Engineering" at 1849,2899 h30
Bottom Layer:
  region net NetL7_2: 2835.59,2165.59
  region net NetL7_2: 2855.91,2199

## Silkscreen, mask and mechanical layers (free items; w line width, h text height)
Top Overlay:
  lines w6: 5637,2529 ccw(c5681,2529) 5681,2485 6156,2485 ; 5739,1887.13 ccw(c5768.13,1887.13) 5768.13,1858 6238,1858 ; 5780.52,3212.13 cw(c5780.52,3196.65) 5796,3196.65 5796,3153 5796,3041 ccw(c5830,3041) 5830,3007 6124,3007 cw(c6124,2984) 6147,2984 ; 6110,2543 cw(c6111,2543) 6111,2544 6454,2544 cw(c6454,2494) 6504,2494 6504,2492 ; 6110.52,3212.13 cw(c6110.52,3190.65) 6132,3190.65 6132,3057 ccw(c6165,3057) 6165,3024 6427,3024 cw(c6427,2998) 6453,2998 6453,2832 ; 6215,1930 cw(c6216,1930) 6216,1931 6480,1931 ; 6220,2843 6220,2984 ; 6220,2916 6364,2916 ; 6224,2354 6224,2485 ; 6224,2419.5 6358,2419.5 ; 6302,1754 6302,1878 ; 6302,1817 6401,1817 ; 6358,2354 6358,2485 ; 6364,2843 6364,2984 ; 6385,2693 6385,2832 ; 6385,2764 6523,2764 ; 6401,1754 6401,1878 ; 6450.52,3212.13 cw(c6450.52,3197.65) 6465,3197.65 6465,3034 ccw(c6480,3034) 6480,3019 cw(c6480,3000) 6499,3000 6499,2985 ; 6523,2693 6523,2832 ; 6544,2849 6544,2985 ; 6544,2917 6678,2917 ; 6547,1800 6547,1931 ; 6547,1865.5 6647,1865.5 ; 6572,2364 6572,2492 ; 6572,2428 6706,2428 ; 6647,1800 6647,1931 ; 6678,2849 6678,2985 ; 6706,2364 6706,2492 ; 6713,2697 6713,2833 ; 6713,2765 6843,2765 ; 6780,3212.13 cw(c6780,3188.13) 6804,3188.13 6804,2833 ; 6843,2697 6843,2833 ; 6147,2984 6436,2984 6436,2843 6147,2843 6147,2984 ; 6156,2485 6156,2354 6429,2354 6429,2485 6156,2485 ; 6480,1931 6716,1931 6716,1800 6480,1800 6480,1931 ; 6504,2492 6504,2364 6777,2364 6777,2492 6504,2492 ; 6238,1754 6470,1754 6470,1878 6238,1878 6238,1754 ; 6309,2693 6593,2693 6593,2832 6309,2832 6309,2693 ; 6475,2849 6742,2849 6742,2985 6475,2985 6475,2849 ; 6649,2697 6912,2697 6912,2833 6649,2833 6649,2697
  text "1" at 3672,3499 h50
  text "1" at 2477,2518 h50
  text "1" at 1480,2286 h50 r270
  text "1" at 4541,2162 h50
  text "AMMDK Application Board V2" at 6267,1929 h80
  text "1" at 1908,1676 h50 r270
  text "1" at 5364,1618 h50
  text "1" at 3447,1616 h50
Bottom Overlay:
  drawing of 653 lines, arcs and shapes, not listed
  text "JLCJLCJLCJLC" at 6925,2150 h32 r270
Mechanical 1:
  circle w0.25: c6587.3,2323.64 r0.12
  circle w0.25: c6938.3,2323.64 r0.12
  circle w0.25: c6999.3,1278.64 r0.12
  lines w0.5: 6520.37,1823.64 6520.37,2823.64 ; 6520.37,1823.64 6654.23,1823.64 ; 6520.37,1823.64 6654.23,2823.64 ; 6520.37,2823.64 6654.23,2823.64 ; 6520.37,2823.64 6654.23,1823.64 ; 6654.23,1823.64 6654.23,2823.64 ; 6871.37,1823.64 7005.23,1823.64 ; 6871.37,1823.64 6871.37,2823.64 ; 6871.37,1823.64 7005.23,2823.64 ; 6871.37,2823.64 7005.23,2823.64 ; 6871.37,2823.64 7005.23,1823.64 ; 6900.88,926.28 6900.88,1631 ; 6900.88,926.28 7097.73,926.28 ; 6900.88,926.28 7097.73,1631 ; 6900.88,1631 7097.73,1631 ; 6900.88,1631 7097.73,926.28 ; 7005.23,1823.64 7005.23,2823.64 ; 7097.73,926.28 7097.73,1631
Mechanical 3:
  circle w0.5: c6987.8,3523.64 r60
  circle w0.5: c1812.3,3523.64 r60
  circle w0.5: c6987.8,638.49 r60
  lines w0.5: 2467.41,2596.77 2467.41,3541.68 3412.29,3541.68 3412.29,2596.8 2467.41,2596.8 ; 1177.3,3031.5 ccw(c1218.57,3033.4) 1220.47,2992.13 1456.69,2992.13 1456.69,2244.09 ccw(c1501.86,2238.29) 1496.06,2193.12 1879.5,2193.12 1879.5,1626.43 ccw(c1918.87,1626.43) 1918.87,1587.06 6842.8,1587.06 6842.8,551.01 ccw(c6882.17,551.01) 6882.17,511.64 7093.43,511.64 ccw(c7093.43,551.01) 7132.8,551.01 7132.8,3621.87 ccw(c7093.43,3621.87) 7093.43,3661.24 1216.67,3661.24 ccw(c1216.67,3621.87) 1177.3,3621.87 1177.3,3031.5
  text "ROUTE OUT BOARD CUTOUT" at 2597,3012 h60

## Text inside footprints (layer, text, board x,y; h text height)
C10: Top Overlay "+" at 2760,2043.15 h80 r90
C11: Top Overlay "+" at 3290,2043.15 h80 r90
C12: Top Overlay "+" at 3820,1920 h80 r90
J1: Top Overlay "1" at 2094,2844 h50 r270
J2: Bottom Overlay "1" at 7114,1670 h30 r90; Bottom Overlay "2" at 6880,1665 h30 r90; Bottom Overlay "15" at 7123,917 h30 r90; Bottom Overlay "16" at 6886,916 h30 r90
J3: Top Overlay "1" at 1661,3629 h50 r180
J14: Top Overlay "1" at 2095,3291 h50 r270
J15: Top Overlay "1" at 2490,3635 h50 r180
J16: Bottom Overlay "39" at 6725,1790 h30; Bottom Overlay "2" at 6483,2861 h50 r90; Bottom Overlay "1" at 6733,2852 h50 r90; Bottom Overlay "40" at 6439,1789 h50
J17: Bottom Overlay "39" at 7105,1788 h30; Bottom Overlay "2" at 6832,2861 h50 r90; Bottom Overlay "1" at 7107,2852 h50 r90; Bottom Overlay "40" at 6841,1788 h30
J20: Top Overlay "1" at 6903,2898 h50 r90
J22: Top Overlay "1" at 3974,1698 h50
U7: Top Overlay "1" at 3786.25,3505 h50; Top Overlay "18" at 4011.25,2505 h50; Top Overlay "17" at 3786.25,2505 h50; Top Overlay "2" at 4011.25,3505 h50; Top Overlay "19" at 5211.25,2430 h50; Top Overlay "29" at 5211.25,3580 h50